# Altium PCB VCU_LAYOUT.PcbDoc (part 2 of 3)
Units mm, origin at the board's own origin, x right, y up, seen from the top; angles counter-clockwise.
Board outline 100 x 100 mm, 2 copper layers (Top Layer, Bottom Layer); 174 components, 112 nets, 647 pads, 397 vias.
Unrouted connection lines stored in the file: 9.
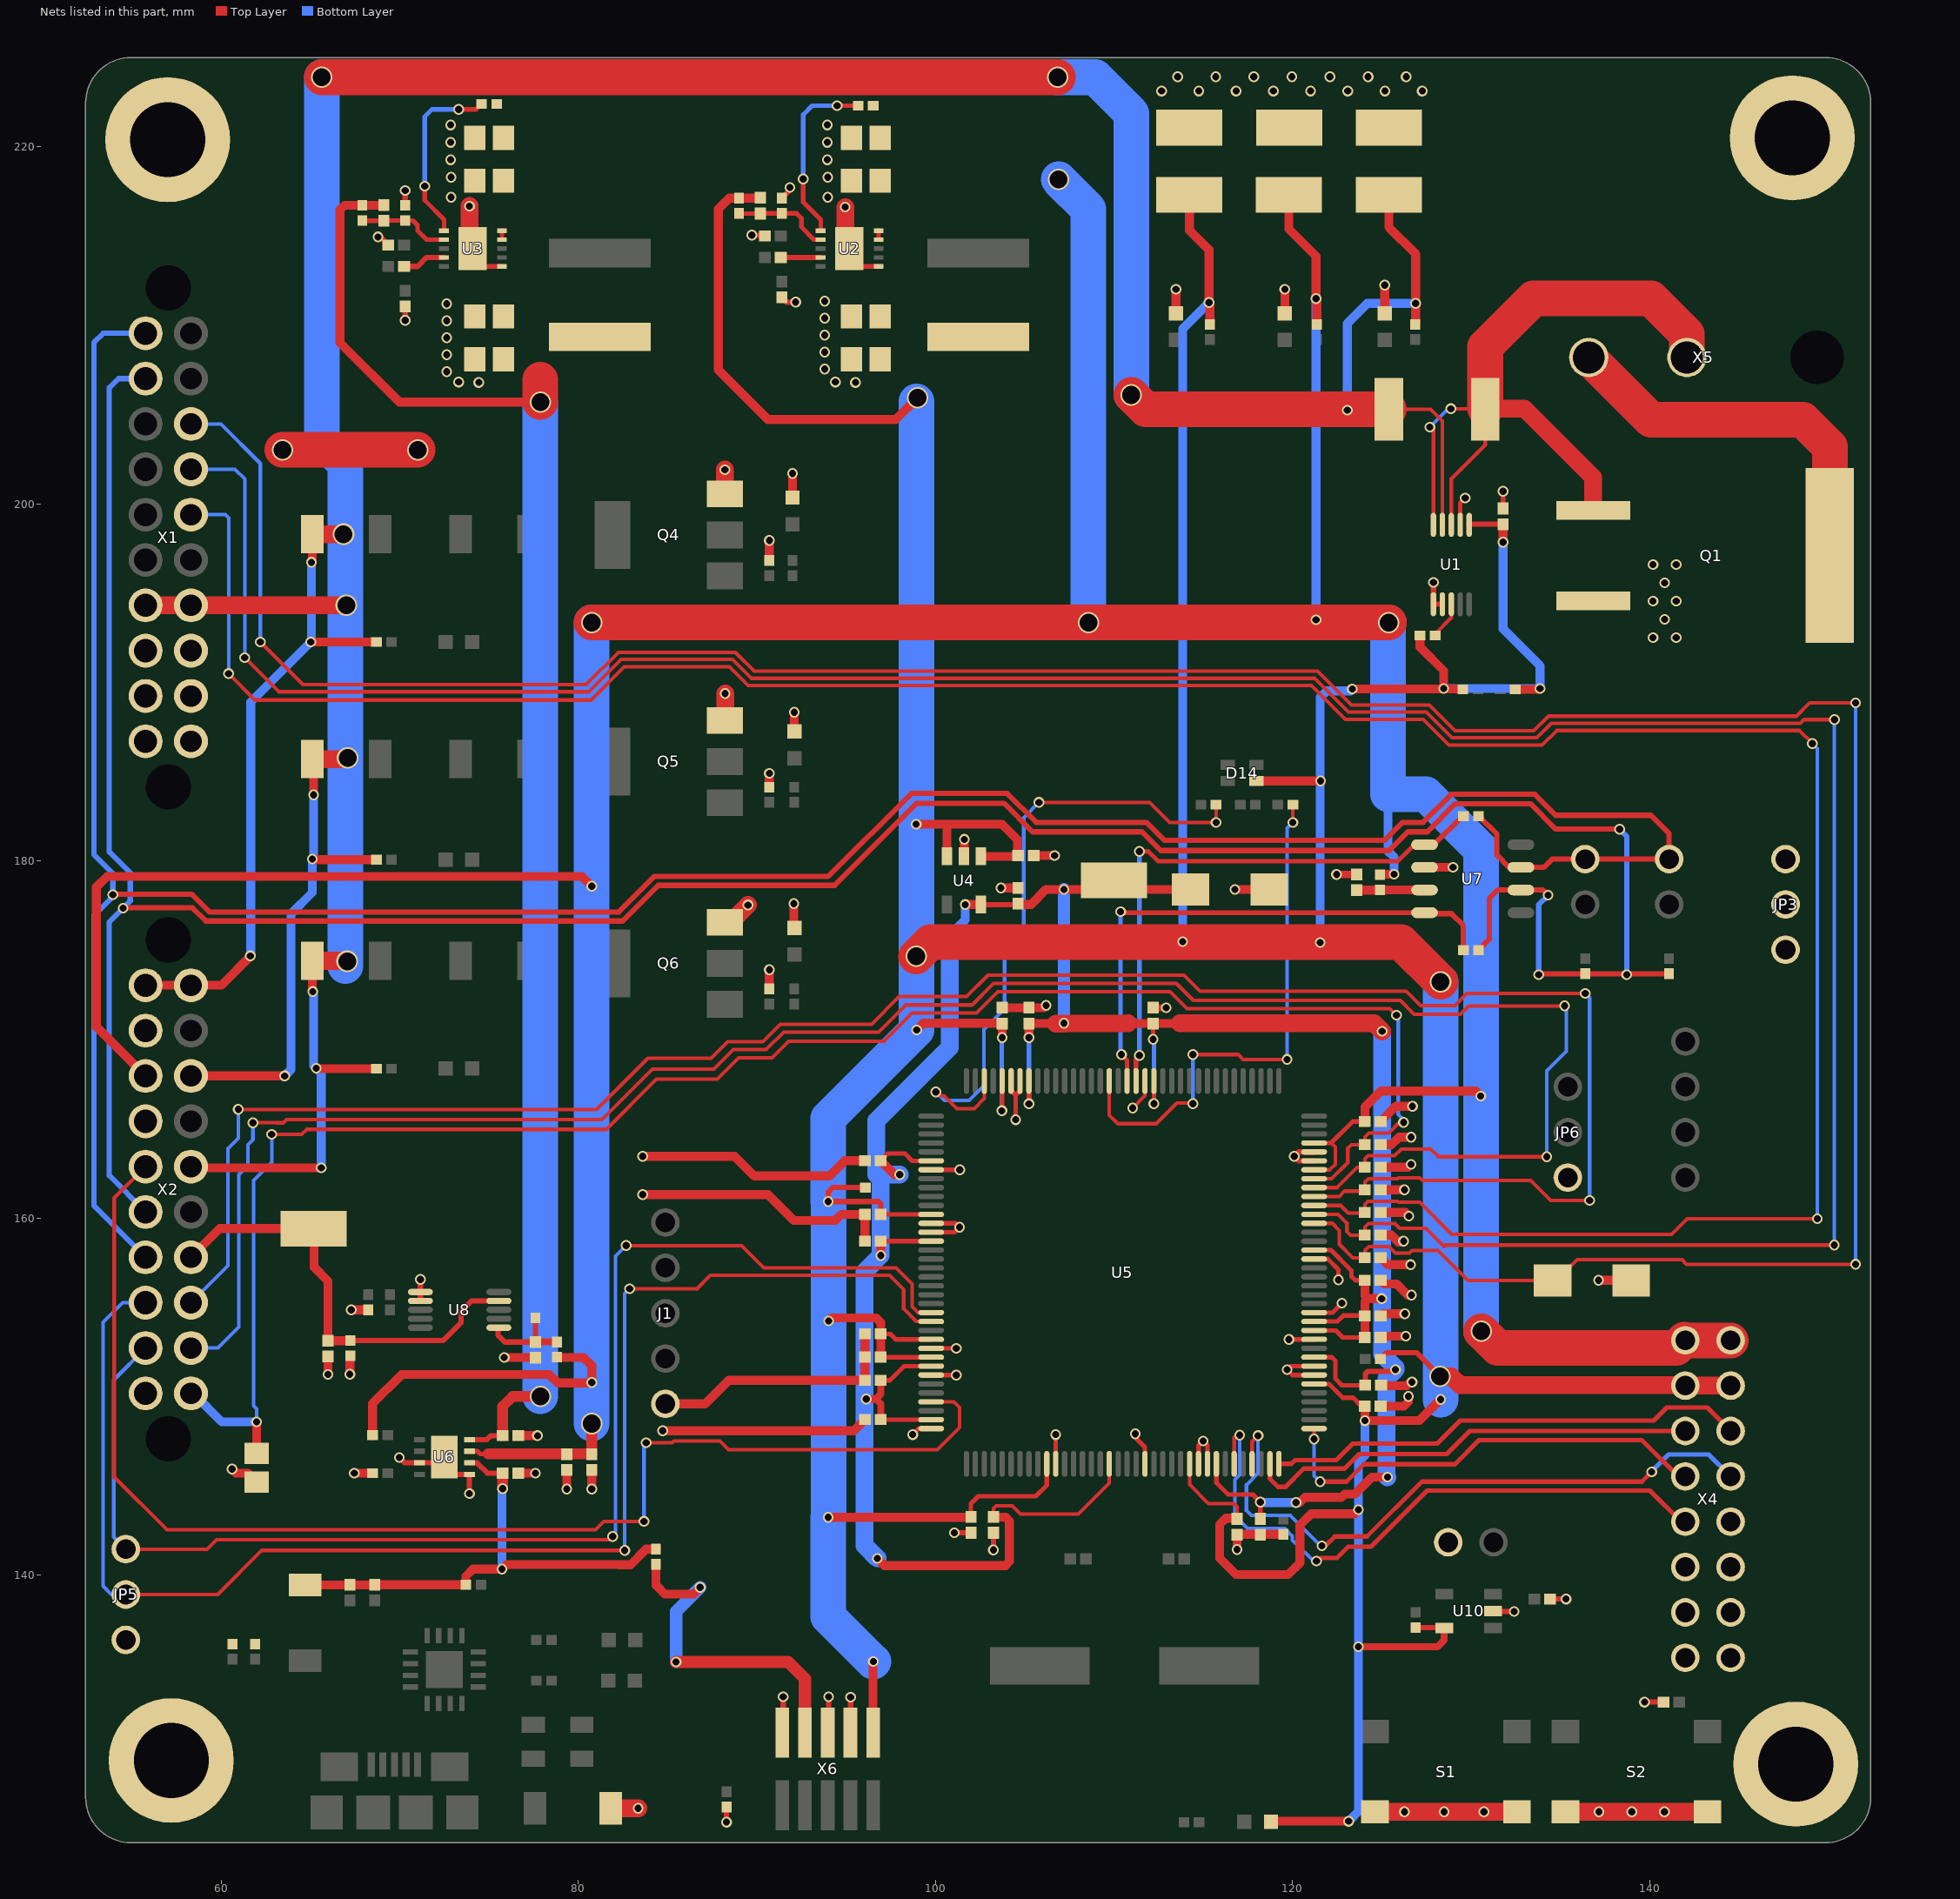
[diagram p2: the nets of this part, all layers, seen from the top]

## Part data (continued)
U4: "IC LDO 1.2V 300mA Enable Pull-Down & Auto Discharge, 5 SOT-23 T/R", Case/Package=SOT-23-5, Dropout Voltage=160mV, Manufacturer=Microchip, Max Operating Temperature=125°C, Min Current Limit=400mA, Min Operating Temperature=-40°C, Output Current=300mA, Output Voltage=1.2V, Supplier Part Number 1=576-4878-1-ND, Manufacturer Part Number=MIC5504-1.2YM5-TR, Mount="Surface Mount", Number of Regulators=1, Packaging="Cut Tape", Pricing 1="1=0.11, 25=0.0928, 100=0.0824 (USD)", Stock 1=479, Supplier 1=Digi-Key
U5: "IC MCU 16-Bit/32-Bit Hercules TMS570 ARM Cortex R4F RISC 1280KB Flash 1.2V/3.3V 144-Pin LQFP", Case/Package=LQFP, Frequency=160MHz, Manufacturer="Texas Instruments", Max Operating Temperature=125°C, Min Operating Temperature=-40°C, Supplier Part Number 1=296-42451-ND, Core Architecture=ARM, Density=1310720B, Interface=CAN,EBI/EMI,Ethernet,I2C,LIN,SCI,SPI,UART,USART, Lead Free="Lead Free", Manufacturer Part Number=TMS5701227CPGEQQ1, Max Frequency=160MHz, Memory Size=1.25MB, Memory Type=FLASH, Number of GPIO=58, Number of I/Os=58, Number of Pins=144, Number of Programmable I/O=58, Number of Timers/Counters=2, Oscillator Type=External, Packaging=Tray, Peripherals=DMA,POR,PWM,WDT, Pricing 1="1=24.99, 10=23.046, 60=22.0098, 120=19.6794, 540=17.8669 (USD)", RAM Size=192KB, Stock 1=2872, Supplier 1=Digi-Key, Watchdog Timer=Yes
U6: "IC OR CTRLR SRC SELECT 8SON", Case/Package=TSSOP, Current - Output 2=1.25A, Manufacturer="Texas Instruments", Max Input Voltage=5.5V, Max Operating Temperature=85°C, Max Power Dissipation=2.5W, Max Supply Current=55uA, Min Input Voltage=2.8V, Min Operating Temperature=-40°C, On-State Resistance=150mR, Package Quantity=3000, Supplier Part Number 1=296-23394-1-ND, ComponentLink1Description=https://datasheet.ciiva.com/15109/getdatasheetpartid-221489-15109265.pdf, ComponentLink1URL=https://datasheet.ciiva.com/15109/getdatasheetpartid-221489-15109265.pdf, ComponentLink2Description=https://datasheet.ciiva.com/1960/tps2115a-1960792.pdf, ComponentLink2URL=https://datasheet.ciiva.com/1960/tps2115a-1960792.pdf, ComponentLink3Description=https://datasheet.ciiva.com/3232/tps2115a-3232536.pdf, ComponentLink3URL=https://datasheet.ciiva.com/3232/tps2115a-3232536.pdf, ComponentLink4Description=https://datasheet.ciiva.com/1960/tps2115a-1960793.pdf, ComponentLink4URL=https://datasheet.ciiva.com/1960/tps2115a-1960793.pdf, ComponentLink5Description=https://datasheet.ciiva.com/1960/tps2115a-1960794.pdf, ComponentLink5URL=https://datasheet.ciiva.com/1960/tps2115a-1960794.pdf, Lead Free="Lead Free", Manufacturer Part Number=TPS2115ADRBR, Max Output Current=1.25A, Number of Inputs=2, Number of Outputs=1, Number of Pins=8, Operating Supply Current=55uA, Operating Supply Voltage=5.5V, Output Current=1.25A, Packaging="Tape and Reel", Pricing 1="1=2.01, 10=1.801, 100=1.448, 500=1.1897, 1000=0.9857 (USD)", Radiation Hardening=No, REACH SVHC="No SVHC", Stock 1=13497, Supplier 1=Digi-Key, Turn-Off Delay Time=5ms, Turn-On Delay Time=1ms, Weight=0.000847oz
U7: "IC CAN Bus, Transceiver, CAN, 1, 1, 4.5 V, 5.5 V, SOIC", Case/Package=SOIC, Manufacturer=Microchip, Max Operating Temperature=125°C, Max Supply Current=70mA, Max Supply Voltage=5.5V, Min Operating Temperature=-40°C, Min Supply Voltage=4.5V, Package Quantity=100, ComponentLink1Description=https://datasheet.ciiva.com/48512/mcp2561fd-eng-tds-48512069.pdf, ComponentLink1URL=https://datasheet.ciiva.com/48512/mcp2561fd-eng-tds-48512069.pdf, ComponentLink2Description=https://datasheet.ciiva.com/46406/1821190-46406024.pdf, ComponentLink2URL=https://datasheet.ciiva.com/46406/1821190-46406024.pdf, ComponentLink3Description=https://datasheet.ciiva.com/46406/1821190-46406056.pdf, ComponentLink3URL=https://datasheet.ciiva.com/46406/1821190-46406056.pdf, ComponentLink4Description=https://datasheet.ciiva.com/48473/20005284a-48473177.pdf, ComponentLink4URL=https://datasheet.ciiva.com/48473/20005284a-48473177.pdf, Data Rate=8Mbps, Height=1.5mm, Interface=CAN, Lead Free="Lead Free", Length=4.9mm, Logic Function=Transceiver, Manufacturer Part Number=MCP2561FD-E/SN, Number of Drivers=1, Number of Pins=8, Number of Receive Buffers=1, Number of Receivers=1, Number of Transceivers=1, Number of Transmit Buffers=1, Operating Supply Current=70mA, Packaging=Rail/Tube, Pricing 1="1=0.97, 25=0.8084, 100=0.735 (USD)", REACH SVHC="No SVHC", Receiver Hysteresis=200mV, Stock 1=1072, Supplier 1=Digi-Key, Weight=0.019048oz, Width=3.9mm
U8: "IC DAC 8BIT V-OUT BUFF 10-MSOP", Case/Package=MSOP, Manufacturer=Microchip, Max Operating Temperature=125°C, Min Operating Temperature=-40°C, Supplier Part Number 1=MCP48FVB01-E/UN-ND, Differential Output=No, Interface=SPI, Manufacturer Part Number=MCP48FVB01-E/UN, Number of Bits=8, Number of D/A Converters=1, Number of Pins=10, Packaging=Rail/Tube, Pricing 1="1=0.7, 25=0.5872, 100=0.5356 (USD)", REACH SVHC="No SVHC", Resolution=8b, Settling Time=7.8us, Stock 1=213, Supplier 1=Digi-Key
U9: "IC USB SERIAL BASIC UART 16QFN", Case/Package=QFN, Manufacturer=FTDI, Max Operating Temperature=85°C, Max Supply Voltage=5.5V, Min Operating Temperature=-40°C, Min Supply Voltage=2.97V, Operating Supply Current=8mA, Operating Supply Voltage=5V, Package Quantity=5000, Supplier Part Number 1=768-1130-1-ND, ComponentLink1Description=https://datasheet.ciiva.com/16213/ds-ft230x-16213755.pdf, ComponentLink1URL=https://datasheet.ciiva.com/16213/ds-ft230x-16213755.pdf, ComponentLink2Description=https://datasheet.ciiva.com/48909/70403914-48909084.pdf, ComponentLink2URL=https://datasheet.ciiva.com/48909/70403914-48909084.pdf, ComponentLink3Description=https://datasheet.ciiva.com/1787/ft-x-series-1787309.pdf, ComponentLink3URL=https://datasheet.ciiva.com/1787/ft-x-series-1787309.pdf, ComponentLink4Description=https://datasheet.ciiva.com/1787/ft-x-series-1787310.pdf, ComponentLink4URL=https://datasheet.ciiva.com/1787/ft-x-series-1787310.pdf, ComponentLink5Description=https://datasheet.ciiva.com/1787/ft-x-series-1787311.pdf, ComponentLink5URL=https://datasheet.ciiva.com/1787/ft-x-series-1787311.pdf, ComponentLink6Description=https://datasheet.ciiva.com/30478/0900766b811020cb-30478159.pdf, ComponentLink6URL=https://datasheet.ciiva.com/30478/0900766b811020cb-30478159.pdf, Data Rate=12Mbps, Height=0.75mm, Interface=USB,UART, Lead Free="Lead Free", Length=4mm, Manufacturer Part Number=FT230XQ-R, Mount="Surface Mount", Number of Channels=1, Number of Pins=16, Packaging="Tape and Reel", Pricing 1="1=2.04, 25=1.97, 100=1.9, 250=1.71, 500=1.54, 1000=1.4806 (USD)", Stock 1=185744, Supplier 1=Digi-Key, Weight=0.002014oz, Width=4mm
U10: "IC WATCHDOG TIME CIRCUIT SOT23-5", Case/Package=SOT-23-5, Manufacturer=STMicroelectronics, Max Operating Temperature=125°C, Max Power Dissipation=320mW, Max Supply Voltage=5.5V, Min Operating Temperature=-40°C, Min Supply Voltage=2.7V, Number of Voltages Monitored=1, Operating Supply Current=13uA, Supplier Part Number 1=497-14411-1-ND, ComponentLink1Description=http://www.st.com/st-web-ui/static/active/en/resource/technical/document/datasheet/CD00176077.pdf?src-supplier=Avnet, ComponentLink1URL=http://www.st.com/st-web-ui/static/active/en/resource/technical/document/datasheet/CD00176077.pdf?src-supplier=Avnet, ComponentLink2Description=http://www.st.com/content/ccc/resource/sales_and_marketing/promotional_material/flyer/52/2d/7f/6c/74/bb/43/70/flcarefree1213.pdf/files/flcarefree1213.pdf/jcr:content/translations/en.flcarefree1213.pdf?src-supplier=Digi-Key, ComponentLink2URL=http://www.st.com/content/ccc/resource/sales_and_marketing/promotional_material/flyer/52/2d/7f/6c/74/bb/43/70/flcarefree1213.pdf/files/flcarefree1213.pdf/jcr:content/translations/en.flcarefree1213.pdf?src-supplier=Digi-Key, ComponentLink3Description=http://www.st.com/content/ccc/resource/technical/document/datasheet/06/6a/b3/83/9a/c7/4f/22/CD00176077.pdf/files/CD00176077.pdf/jcr:content/translations/en.CD00176077.pdf?src-supplier=Digi-Key, ComponentLink3URL=http://www.st.com/content/ccc/resource/technical/document/datasheet/06/6a/b3/83/9a/c7/4f/22/CD00176077.pdf/files/CD00176077.pdf/jcr:content/translations/en.CD00176077.pdf?src-supplier=Digi-Key, Contact Plating=Gold, Lead Free="Lead Free", Manufacturer Part Number=STWD100YNYWY3F, Mount="Surface Mount", Number of Monitored Inputs=1, Number of Pins=5, Package Quantity=1, Packaging="Tape and Reel", Pricing 1="1=0.94, 10=0.842, 100=0.6562, 500=0.5421, 1000=0.428 (USD)", Radiation Hardening=No, Reset="Active Low", Reset Timeout=1.12s, Stock 1=37, Supplier 1=Digi-Key, Type="Watchdog Circuit"
X1 X2: library part 0346916200, "CONN_20Positions Molex Stac64 Header, Shrouded Connector 0.100\" (2.54mm) Through Hole, Right Angle Tin", Case/Package=100, Colour=Black, Manufacturer=Molex, Package Quantity=560, ComponentLink1Description=https://datasheet.ciiva.com/29142/987651-0141-29142848.pdf, ComponentLink1URL=https://datasheet.ciiva.com/29142/987651-0141-29142848.pdf, Connector Type="Male Pin", Contact Plating=Tin, Manufacturer Part Number=0346916200, Number of Positions=20, Number of Rows=2, Packaging=Tray, Pitch=0.1inch, Pricing 1="1=3.07, 10=2.946, 100=2.4546, 500=2.0864, 1000=1.7796, 5000=1.5955 (USD)", Row Spacing=0.1inch, Stock 1=334, Supplier 1=Digi-Key, Supplier Part Number 1=WM10445-ND, Termination=Solder
X4: "CONN_HeaderPins16pos1  6 Positions Header, Unshrouded Connector 0.100\" (2.54mm) Through Hole Gold or Gold, GXT™", Colour=Black, Current Rating=3A, Flammability Rating="UL94 V-0", Insulation Resistance=5GR, Manufacturer="Amphenol FCI", Max Operating Temperature=125°C, Max Voltage Rating (AC)=1.5kV, Min Operating Temperature=-65°C, Package Quantity=100, Supplier Part Number 1=609-3364-ND, ComponentLink1Description=https://datasheet.ciiva.com/16726/67996-16726040.pdf, ComponentLink1URL=https://datasheet.ciiva.com/16726/67996-16726040.pdf, ComponentLink2Description=https://datasheet.ciiva.com/9465/67996-9465931.pdf, ComponentLink2URL=https://datasheet.ciiva.com/9465/67996-9465931.pdf, ComponentLink3Description=https://datasheet.ciiva.com/728/67996-728940.pdf, ComponentLink3URL=https://datasheet.ciiva.com/728/67996-728940.pdf, ComponentLink4Description=https://datasheet.ciiva.com/5157/67996-225486-5157197.pdf, ComponentLink4URL=https://datasheet.ciiva.com/5157/67996-225486-5157197.pdf, Connector Type="Male Pin", Contact Gender=Male, Contact Material=Bronze, Contact Mating Length=0.23inch, Contact Plating=Nickel,Gold,GXT, Depth=4.83mm, Gender=Male, Housing Colour=Black, Housing Material=Thermoplastic, Length=20.32mm, Manufacturer Part Number=68602-116HLF, Mating Post Length=5.84mm, Mount="Through Hole", Number of Contacts=16, Number of Positions=16, Number of Rows=2, Orientation=Straight, Packaging=Bulk, Pitch=2.54mm, Pricing 1="1=0.79, 10=0.698, 100=0.6019, 500=0.4925, 1000=0.4378, 5000=0.383, 10000=0.3639 (USD)", Radiation Hardening=No, REACH SVHC="No SVHC", Row Spacing=0.1inch, Stock 1=1898, Supplier 1=Digi-Key, Termination=Solder, Termination Post Length=3.81mm, Voltage Rating=1.5kV
X5: "CONN_2Position_MEGAFIT Molex Through Hole, Right Angle Tin", Colour=Black, Manufacturer=Molex, Supplier Part Number 1=WM11969-ND, ComponentLink1Description=http://www.molex.com/pdm_docs/ps/PS-76823-100.pdf, ComponentLink1URL=http://www.molex.com/pdm_docs/ps/PS-76823-100.pdf, Connector Type="Male Pin", Contact Plating=Tin, Fastening Type=Ramp, Manufacturer Part Number=0768250002, Mount="Through Hole", Number of Positions=2, Number of Rows=2, Packaging=Tray, Pricing 1="1=1.08, 10=0.946, 25=0.89, 50=0.853, 100=0.816, 250=0.7418, 500=0.6676, 1000=0.5934, 2500=0.5378 (USD)", Row Spacing=0.224inch, Stock 1=2862, Supplier 1=Digi-Key, Termination=Solder
X6: "CONN_JTAG_10pin .050 Connector Dual Header 10 Position Surface Mount", Colour=Black, Manufacturer=Samtec, Max Current Rating=1.75A, Max Operating Temperature=125°C, Min Operating Temperature=-55°C, Package Quantity=1, Supplier Part Number 1=SAM8796-ND, ComponentLink1Description=https://datasheet.ciiva.com/19461/2046846-19461026.pdf, ComponentLink1URL=https://datasheet.ciiva.com/19461/2046846-19461026.pdf, ComponentLink2Description=https://datasheet.ciiva.com/738/ftsh-1xx-xx-xxx-dv-xxx-mkt-738998.pdf, ComponentLink2URL=https://datasheet.ciiva.com/738/ftsh-1xx-xx-xxx-dv-xxx-mkt-738998.pdf, ComponentLink3Description=https://datasheet.ciiva.com/10245/ftsh-mt-10245273.pdf, ComponentLink3URL=https://datasheet.ciiva.com/10245/ftsh-mt-10245273.pdf, ComponentLink4Description=https://datasheet.ciiva.com/16657/ftsh-mt-16657371.pdf, ComponentLink4URL=https://datasheet.ciiva.com/16657/ftsh-mt-16657371.pdf, ComponentLink5Description=https://datasheet.ciiva.com/15195/getdatasheetpartid-133463-15195260.pdf, ComponentLink5URL=https://datasheet.ciiva.com/15195/getdatasheetpartid-133463-15195260.pdf, Connector Type="Male Pin", Contact Material=Bronze,Copper, Contact Mating Length=0.12inch, Contact Plating=Nickel,Gold, Depth=3.43mm, Height=3.3mm, Housing Colour=Black, Housing Material=Polymer, Lead Free="Lead Free", Length=15.2mm, Manufacturer Part Number=FTSH-105-01-F-DV-K, Mount="Surface Mount", Number of Contacts=10, Number of Positions=10, Number of Rows=2, Orientation=Straight, Packaging=Rail/Tube, Pitch=1.27mm, Pricing 1="1=2.9, 10=2.784, 100=2.32, 500=1.972, 1000=1.682, 5000=1.508 (USD)", Radiation Hardening=No, Row Spacing=0.05inch, Stock 1=18199, Supplier 1=Digi-Key, Termination=Solder
X7: "CONN_USB - micro B USB 2.0 Receptacle Connector 5 Position Surface Mount, Right Angle, Horizontal", Colour=Black, Current Rating=1.8A, Flammability Rating="UL94 V-0", Insulation Resistance=1GR, Manufacturer="Amphenol FCI", Max Operating Temperature=85°C, Max Voltage Rating (AC)=100V, Min Operating Temperature=-55°C, Package Quantity=1400, Supplier Part Number 1=609-4613-1-ND, ComponentLink1Description=https://datasheet.ciiva.com/26853/getdatasheetpartid-418041-26853891.pdf, ComponentLink1URL=https://datasheet.ciiva.com/26853/getdatasheetpartid-418041-26853891.pdf, ComponentLink2Description=https://datasheet.ciiva.com/851/10118192-851112.pdf, ComponentLink2URL=https://datasheet.ciiva.com/851/10118192-851112.pdf, ComponentLink3Description=https://datasheet.ciiva.com/4598/10118192ac-197249-4598796.pdf, ComponentLink3URL=https://datasheet.ciiva.com/4598/10118192ac-197249-4598796.pdf, Connector Type=USB,Receptacle, Contact Material="Copper Alloy", Contact Plating=Nickel,Gold, Depth=5.57mm, Gender=Receptacle, Housing Material=Polymer, Lead Free="Lead Free", Length=7.86mm, Manufacturer Part Number=10118192-0001LF, Mount="Surface Mount,Horizontal", Number of Contacts=5, Number of Ports=1, Number of Terminals=5, Orientation="Right Angle", Packaging="Tape and Reel", Pitch=0.65mm, Pricing 1="1=0.46, 10=0.437, 25=0.3744, 50=0.318, 100=0.3056, 250=0.2744, 500=0.262 (USD)", Radiation Hardening=No, REACH SVHC="No SVHC", Stock 1=197826, Supplier 1=Digi-Key, Termination=Solder, USB Standard="USB 2.0", Voltage Rating=100V
XTAL1: "XTAL 16MHz ±30ppm Crystal 18pF 40 Ohm -40°C ~ 85°C  Surface Mount HC49/US", ESR (Equivalent Series Resistance)=40R, Frequency=16MHz, Frequency Stability=30ppm, Load Capacitance=18pF, Manufacturer=Abracon, Max Operating Temperature=85°C, Min Operating Temperature=-40°C, Package Quantity=1000, Supplier Part Number 1=535-9875-1-ND, ComponentLink1Description=https://datasheet.ciiva.com/854/abls2-854400.pdf, ComponentLink1URL=https://datasheet.ciiva.com/854/abls2-854400.pdf, ComponentLink2Description=https://datasheet.ciiva.com/854/abls2-854401.pdf, ComponentLink2URL=https://datasheet.ciiva.com/854/abls2-854401.pdf, ComponentLink3Description=https://datasheet.ciiva.com/15116/getdatasheetpartid-719900-15116780.pdf, ComponentLink3URL=https://datasheet.ciiva.com/15116/getdatasheetpartid-719900-15116780.pdf, ComponentLink4Description=https://datasheet.ciiva.com/854/abls2-854399.pdf, ComponentLink4URL=https://datasheet.ciiva.com/854/abls2-854399.pdf, Depth=4.8mm, Frequency Tolerance=30ppm, Height=0.13inch, Lead Free="Lead Free", Length=11.05mm, Manufacturer Part Number=ABLS2-16.000MHZ-D4Y-T, Mount="Surface Mount", Packaging="Tape and Reel", Pricing 1="1=0.46, 10=0.385, 50=0.3466, 100=0.308, 500=0.2926 (USD)", REACH SVHC=Unknown, Series Resistance=40R, Stock 1=14083, Supplier 1=Digi-Key, Termination=SMD/SMT, Tolerance=30ppm, Width=0.185inch
Z1 Z2 Z3: library part SMBJ5349B-TP, "DIODE ZENER 12V 5W DO214AA", Case/Package=SMB, Forward Voltage=1.2V, Manufacturer=MCC, Max Operating Temperature=150°C, Max Power Dissipation=5W, Max Reverse Leakage Current=2uA, Min Operating Temperature=-55°C, Package Quantity=3000, Supplier Part Number 1=SMBJ5349B-TPMSDKR-ND, Test Current=100mA, Tolerance=5%, Zener Current=395mA, ComponentLink1Description=https://datasheet.ciiva.com/894/smbj5338b-smbj5388bsmb-894182.pdf, ComponentLink1URL=https://datasheet.ciiva.com/894/smbj5338b-smbj5388bsmb-894182.pdf, ComponentLink2Description=https://datasheet.ciiva.com/894/smbj5338b-smbj5388bsmb-894183.pdf, ComponentLink2URL=https://datasheet.ciiva.com/894/smbj5338b-smbj5388bsmb-894183.pdf, ComponentLink3Description=https://datasheet.ciiva.com/894/smbj5338b-smbj5388bsmb-894184.pdf, ComponentLink3URL=https://datasheet.ciiva.com/894/smbj5338b-smbj5388bsmb-894184.pdf, ComponentLink4Description=https://datasheet.ciiva.com/17444/smbj5338b-smbj5388bsmb-17444298.pdf, ComponentLink4URL=https://datasheet.ciiva.com/17444/smbj5338b-smbj5388bsmb-17444298.pdf, ComponentLink5Description=https://datasheet.ciiva.com/26844/getdatasheetpartid-147575-26844923.pdf, ComponentLink5URL=https://datasheet.ciiva.com/26844/getdatasheetpartid-147575-26844923.pdf, Element Configuration=Single, Impedance=2.5R, Lead Free="Lead Free", Manufacturer Part Number=SMBJ5349B-TP, Mount="Surface Mount", Number of Pins=2, Packaging="Tape and Reel", Peak Reverse Current=2uA, Power Dissipation=5W, Pricing 1="1=0.65, 10=0.57, 25=0.5044, 100=0.4394, 250=0.3824, 500=0.3255, 1000=0.2604 (USD)", Radiation Hardening=No, Stock 1=41768, Supplier 1=Digi-Key, Voltage Tolerance=5%, Working Voltage=12V, Zener Voltage=12V

## Free pads (board coordinates)
  round 7 hole 4.2: ""(57,220.4) ""(57.2,129.6) ""(148,220.5) ""(148.2,129.4)

## Via types
v1: diameter 0.6, hole 0.4, Top Layer to Bottom Layer, 372 vias
v2: diameter 1.2, hole 1, Top Layer to Bottom Layer, 21 vias
v3: diameter 0.5, hole 0.2, Top Layer to Bottom Layer, 4 vias
